# Altium PCB ROBOT1.PcbDoc (part 5 of 7) (continued)
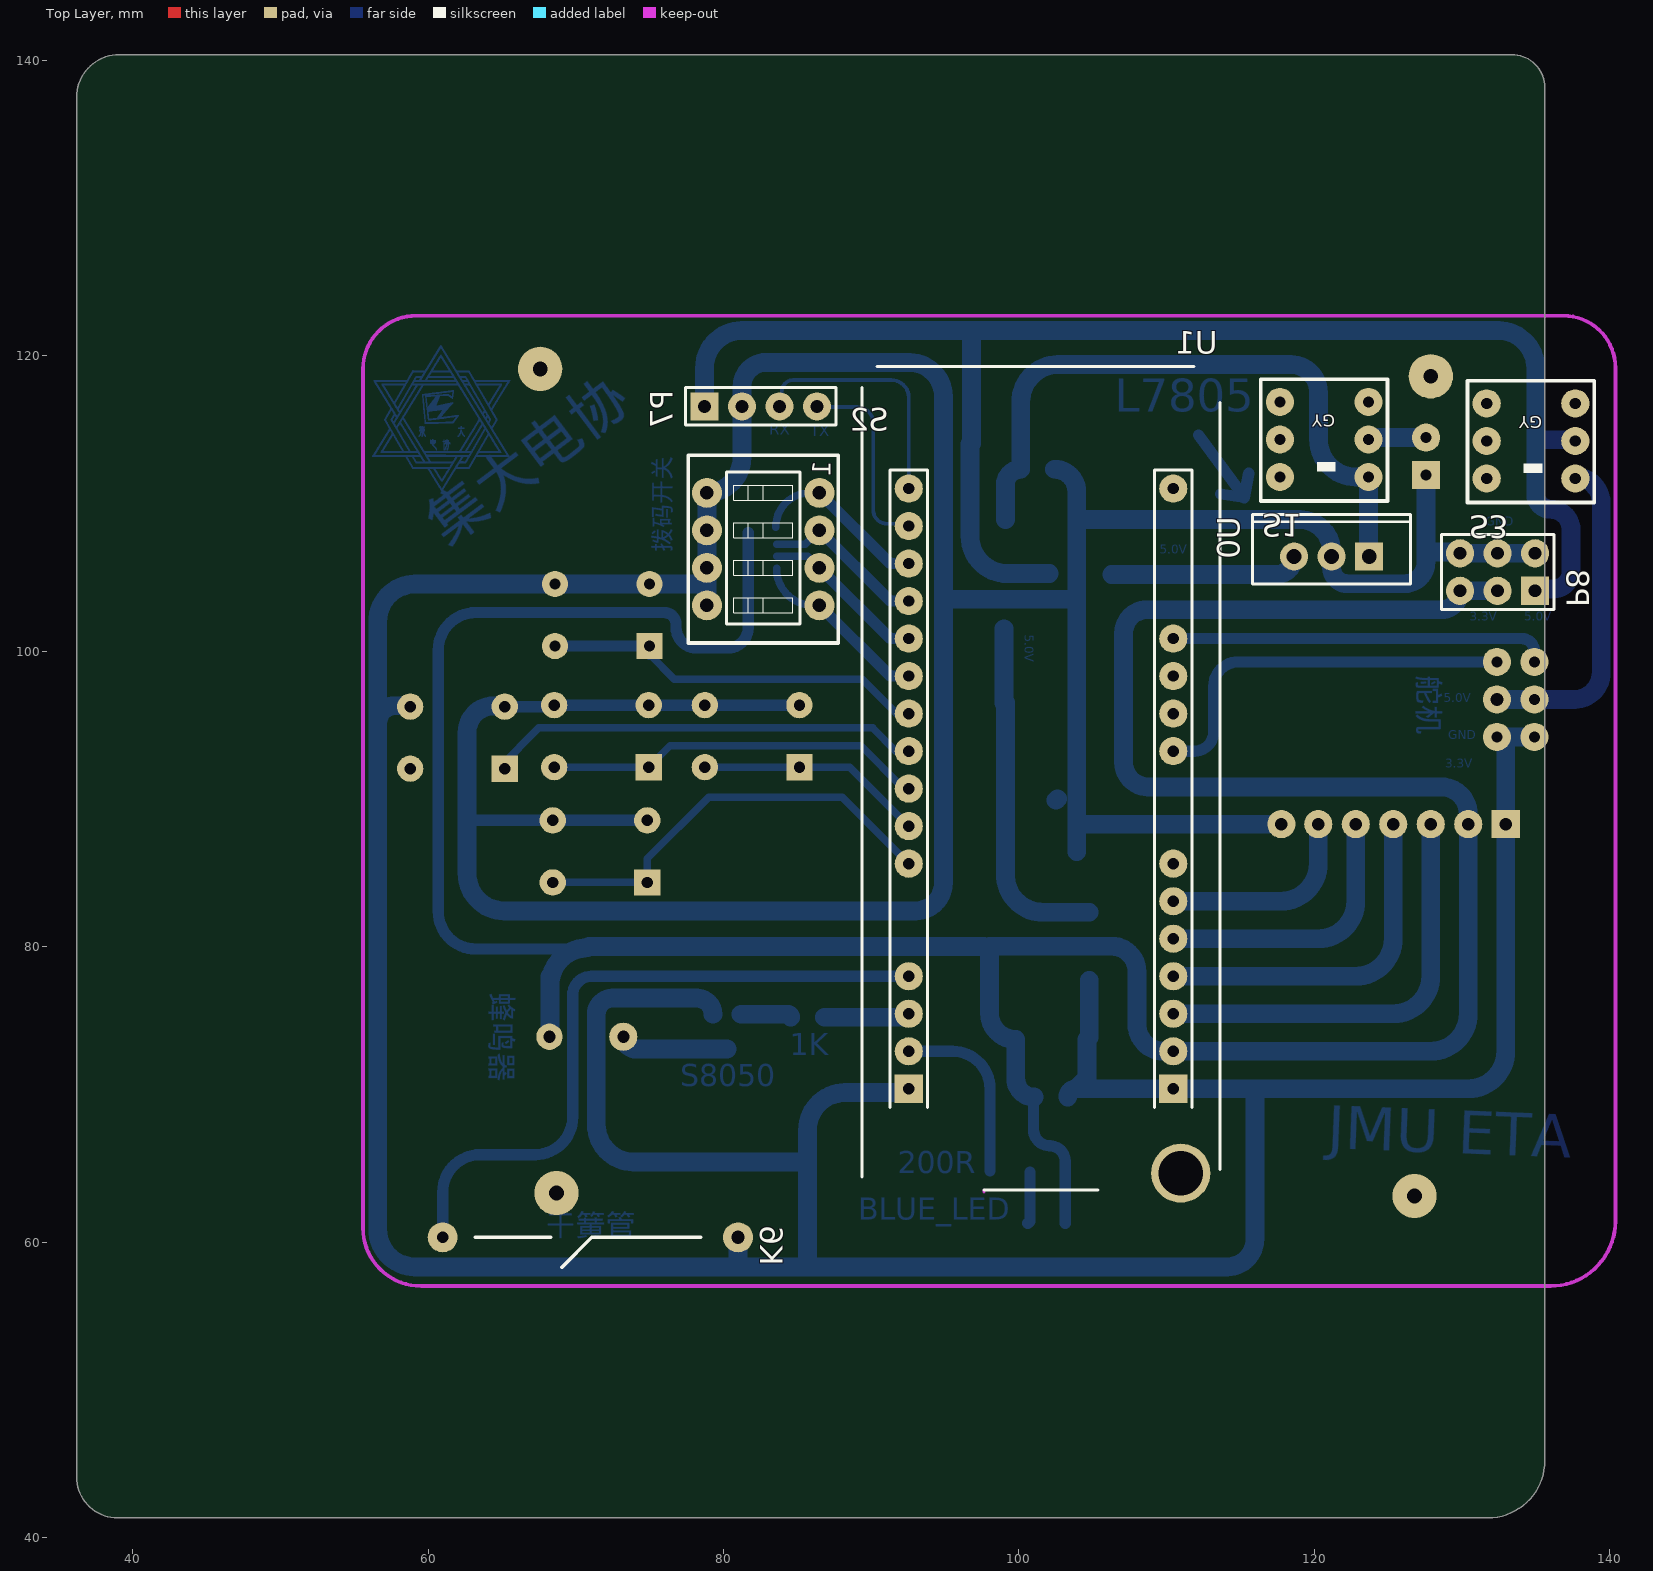
[diagram p0: Top Layer view]
## Nets (pads, with @x,y where several pads share a name; then routed paths per layer and width w, separated by ;. In a path a pad name is that pad's centre, name@x,y a point inside that pad or via, vN(x,y) a via of type N, cw(c..) or ccw(c..) an arc to the next point about the centre after c; other vN are vias at no path point) (continued)
61.824,112.3 ; 61.734,112.929 61.814,112.929 ; 61.734,112.939 61.824,112.939 ; 61.734,115.635 61.814,115.635 ; 61.734,118.529 61.834,118.529 ; 61.734,118.539 61.824,118.539 ; 61.734,119.168 61.824,119.168 ; 61.734,119.178 61.824,119.178 ; 61.744,112.31 61.834,112.31 ; 61.744,112.949 61.834,112.949 ; 61.744,115.645 61.824,115.645 ; 61.744,115.954 62.044,115.954 ; 61.744,118.519 61.834,118.519 ; 61.744,119.158 61.834,119.158 ; 61.754,112.32 61.834,112.32 ; 61.754,112.33 61.844,112.33 ; 61.754,112.959 61.834,112.959 ; 61.754,112.969 61.844,112.969 ; 61.754,115.655 61.834,115.655 ; 61.754,115.665 61.834,115.665 ; 61.754,118.499 61.844,118.499 ; 61.754,118.509 61.844,118.509 ; 61.754,119.138 61.844,119.138 ; 61.754,119.148 61.834,119.148 ; 61.764,112.34 61.844,112.34 ; 61.764,112.35 61.854,112.35 ; 61.764,112.979 61.844,112.979 ; 61.764,115.674 61.844,115.674 ; 61.764,118.489 61.854,118.489 ; 61.764,119.118 61.854,119.118 ; 61.764,119.128 61.854,119.128 ; 61.774,112.36 61.854,112.36 ; 61.774,112.37 61.864,112.37 ; 61.774,112.989 61.854,112.989 ; 61.774,112.999 61.854,112.999 ; 61.774,115.684 61.844,115.684 ; 61.774,118.469 61.864,118.469 ; 61.774,118.479 61.864,118.479 ; 61.774,119.108 61.864,119.108 ; 61.784,112.38 61.874,112.38 ; 61.784,113.009 61.864,113.009 ; 61.784,113.019 61.874,113.019 ; 61.784,115.694 61.854,115.694 ; 61.784,118.28 61.984,118.28 ; 61.784,118.46 61.874,118.46 ; 61.784,119.088 61.874,119.088 ; 61.784,119.098 61.874,119.098 ; 61.794,112.39 62.782,112.39 ; 61.794,112.4 62.792,112.4 ; 61.794,113.029 61.884,113.029 ; 61.794,115.704 61.864,115.704 ; 61.794,115.714 61.874,115.714 ; 61.794,118.44 61.884,118.44 ; 61.794,118.45 61.884,118.45 ; 61.794,119.078 61.884,119.078 ; 61.804,112.41 62.792,112.41 ; 61.804,113.039 61.884,113.039 ; 61.804,113.049 61.894,113.049 ; 61.804,115.724 61.874,115.724 ; 61.804,118.42 61.894,118.42 ; 61.804,118.43 61.884,118.43 ; 61.804,119.058 61.894,119.058 ; 61.804,119.068 61.884,119.068 ; 61.814,112.42 62.802,112.42 ; 61.814,112.43 62.802,112.43 ; 61.814,113.059 61.894,113.059 ; 61.814,115.734 61.884,115.734 ; 61.814,115.964 62.054,115.964 ; 61.814,118.41 61.904,118.41 ; 61.814,119.038 61.904,119.038 ; 61.814,119.048 61.904,119.048 ; 61.824,112.44 62.812,112.44 ; 61.824,112.45 62.682,112.45 ; 61.824,113.069 61.904,113.069 ; 61.824,113.079 61.904,113.079 ; 61.824,115.744 61.894,115.744 ; 61.824,115.754 61.904,115.754 ; 61.824,118.39 61.914,118.39 ; 61.824,118.4 61.914,118.4 ; 61.824,119.029 61.914,119.029 ; 61.834,112.46 61.924,112.46 ; 61.834,113.089 61.914,113.089 ; 61.834,113.099 61.924,113.099 ; 61.834,115.764 61.904,115.764 ; 61.834,118.37 61.934,118.37 ; 61.834,118.38 61.924,118.38 ; 61.834,119.009 61.934,119.009 ; 61.834,119.019 61.924,119.019 ; 61.844,112.47 61.924,112.47 ; 61.844,112.48 61.934,112.48 ; 61.844,113.109 61.924,113.109 ; 61.844,113.119 61.934,113.119 ; 61.844,115.774 61.914,115.774 ; 61.844,115.784 61.924,115.784 ; 61.844,118.989 62.782,118.989 ; 61.844,118.999 62.772,118.999 ; 61.854,112.49 61.944,112.49 ; 61.854,112.5 61.944,112.5 ; 61.854,113.129 61.944,113.129 ; 61.854,115.794 61.924,115.794 ; 61.854,118.979 62.792,118.979 ; 61.864,112.51 61.954,112.51 ; 61.864,113.139 61.944,113.139 ; 61.864,115.804 61.934,115.804 ; 61.864,118.959 62.802,118.959 ; 61.864,118.969 62.802,118.969 ; 61.874,112.52 61.964,112.52 ; 61.874,112.53 61.964,112.53 ; 61.874,113.149 61.954,113.149 ; 61.874,113.159 61.964,113.159 ; 61.874,115.814 61.944,115.814 ; 61.874,115.824 61.954,115.824 ; 61.874,115.974 62.064,115.974 ; 61.874,118.949 62.812,118.949 ; 61.884,112.54 61.974,112.54 ; 61.884,112.55 61.974,112.55 ; 61.884,113.169 61.964,113.169 ; 61.884,113.179 61.964,113.179 ; 61.884,115.834 61.964,115.834 ; 61.884,118.929 61.974,118.929 ; 61.884,118.939 62.812,118.939 ; 61.894,112.56 61.984,112.56 ; 61.894,113.189 61.974,113.189 ; 61.894,113.199 61.984,113.199 ; 61.894,113.209 61.994,113.209 ; 61.894,115.844 61.964,115.844 ; 61.894,118.27 61.994,118.27 ; 61.894,118.909 61.984,118.909 ; 61.894,118.919 61.984,118.919 ; 61.904,112.57 61.994,112.57 ; 61.904,112.58 61.994,112.58 ; 61.904,115.854 61.974,115.854 ; 61.904,115.864 61.984,115.864 ; 61.904,118.26 61.994,118.26 ; 61.904,118.899 61.994,118.899 ; 61.914,112.59 62.004,112.59 ; 61.914,115.874 61.994,115.874 ; 61.914,118.25 62.004,118.25 ; 61.914,118.879 62.004,118.879 ; 61.914,118.889 62.004,118.889 ; 61.924,112.6 62.004,112.6 ; 61.924,112.61 62.014,112.61 ; 61.924,115.884 61.994,115.884 ; 61.924,115.894 62.004,115.894 ; 61.924,118.23 62.014,118.23 ; 61.924,118.24 62.004,118.24 ; 61.924,118.869 62.014,118.869 ; 61.934,112.62 62.024,112.62 ; 61.934,115.904 62.014,115.904 ; 61.934,115.924 62.034,115.924 ; 61.934,118.21 62.024,118.21 ; 61.934,118.22 62.024,118.22 ; 61.934,118.849 62.024,118.849 ; 61.934,118.859 62.024,118.859 ; 61.944,112.63 62.024,112.63 ; 61.944,112.64 62.034,112.64 ; 61.944,115.914 62.024,115.914 ; 61.944,118.2 62.034,118.2 ; 61.944,118.829 62.034,118.829 ; 61.944,118.839 62.024,118.839 ; 61.954,112.65 62.034,112.65 ; 61.954,112.66 62.044,112.66 ; 61.954,118.18 62.044,118.18 ; 61.954,118.19 62.044,118.19 ; 61.954,118.819 62.044,118.819 ; 61.964,112.67 62.054,112.67 ; 61.964,112.68 62.054,112.68 ; 61.964,118.16 62.064,118.16 ; 61.964,118.17 62.054,118.17 ; 61.964,118.789 62.064,118.789 ; 61.964,118.799 62.054,118.799 ; 61.964,118.809 62.044,118.809 ; 61.974,112.69 62.064,112.69 ; 61.974,115.984 62.074,115.984 ; 61.974,118.15 62.064,118.15 ; 61.974,118.779 62.064,118.779 ; 61.984,112.7 62.064,112.7 ; 61.984,112.71 62.074,112.71 ; 61.984,118.12 62.083,118.12 ; 61.984,118.13 62.074,118.13 ; 61.984,118.14 62.074,118.14 ; 61.984,118.769 62.074,118.769 ; 61.994,112.72 62.083,112.72 ; 61.994,118.749 62.083,118.749 ; 61.994,118.759 62.083,118.759 ; 61.994,119.009 62.004,119.009 ; 62.004,112.73 62.083,112.73 ; 62.004,112.74 62.093,112.74 ; 62.004,114.576 62.074,114.576 ; 62.004,114.586 62.083,114.586 ; 62.004,118.729 62.093,118.729 ; 62.004,118.739 62.093,118.739 ; 62.014,112.75 62.103,112.75 ; 62.014,114.556 62.054,114.556 ; 62.014,114.566 62.064,114.566 ; 62.014,118.719 62.103,118.719 ; 62.024,112.76 62.113,112.76 ; 62.024,112.77 62.553,112.77 ; 62.024,114.546 62.034,114.546 ; 62.024,115.994 62.064,115.994 ; 62.024,118.699 62.113,118.699 ; 62.024,118.709 62.113,118.709 ; 62.034,112.78 62.563,112.78 ; 62.034,118.689 62.123,118.689 ; 62.044,112.79 62.573,112.79 ; 62.044,112.8 62.573,112.8 ; 62.044,115.125 62.453,115.125 ; 62.044,118.02 62.143,118.02 ; 62.044,118.669 62.133,118.669 ; 62.044,118.679 62.123,118.679 ; 62.054,112.81 62.583,112.81 ; 62.054,114.596 62.093,114.596 ; 62.054,115.115 62.443,115.115 ; 62.054,115.135 62.453,115.135 ; 62.054,118.649 62.143,118.649 ; 62.054,118.659 62.143,118.659 ; 62.064,112.82 62.593,112.82 ; 62.064,112.83 62.593,112.83 ; 62.064,114.606 62.103,114.606 ; 62.064,118 62.153,118 ; 62.064,118.01 62.143,118.01 ; 62.064,118.629 62.163,118.629 ; 62.064,118.639 62.153,118.639 ; 62.074,112.84 62.593,112.84 ; 62.074,112.85 62.373,112.85 ; 62.074,114.616 62.123,114.616 ; 62.074,114.626 62.123,114.626 ; 62.074,114.636 62.123,114.636 ; 62.074,117.98 62.173,117.98 ; 62.074,117.99 62.163,117.99 ; 62.074,118.619 62.173,118.619 ; 62.083,112.86 62.183,112.86 ; 62.083,112.869 62.173,112.869 ; 62.083,114.646 62.133,114.646 ; 62.083,117.96 62.183,117.96 ; 62.083,117.97 62.173,117.97 ; 62.083,118.589 62.573,118.589 ; 62.083,118.599 62.563,118.599 ; 62.083,118.609 62.563,118.609 ; 62.093,112.879 62.183,112.879 ; 62.093,114.656 62.143,114.656 ; 62.093,117.95 62.183,117.95 ; 62.103,112.889 62.183,112.889 ; 62.103,112.899 62.193,112.899 ; 62.103,113.548 62.213,113.548 ; 62.103,114.666 62.153,114.666 ; 62.103,117.93 62.193,117.93 ; 62.103,117.94 62.193,117.94 ; 62.103,118.569 62.583,118.569 ; 62.103,118.579 62.583,118.579 ; 62.113,112.909 62.203,112.909 ; 62.113,112.919 62.203,112.919 ; 62.113,114.676 62.163,114.676 ; 62.113,114.686 62.163,114.686 ; 62.113,117.92 62.203,117.92 ; 62.113,118.559 62.593,118.559 ; 62.123,112.929 62.213,112.929 ; 62.123,112.939 62.213,112.939 ; 62.123,113.558 62.203,113.558 ; 62.123,113.568 62.213,113.568 ; 62.123,114.696 62.163,114.696 ; 62.123,114.706 62.163,114.706 ; 62.123,114.716 62.173,114.716 ; 62.123,117.901 62.213,117.901 ; 62.123,117.91 62.203,117.91 ; 62.123,118.539 62.213,118.539 ; 62.123,118.549 62.223,118.549 ; 62.133,112.949 62.223,112.949 ; 62.133,113.578 62.223,113.578 ; 62.133,114.726 62.173,114.726 ; 62.133,117.891 62.223,117.891 ; 62.133,118.519 62.223,118.519 ; 62.133,118.529 62.223,118.529 ; 62.143,112.959 62.233,112.959 ; 62.143,112.969 62.233,112.969 ; 62.143,113.588 62.223,113.588 ; 62.143,113.598 62.223,113.598 ; 62.143,114.736 62.183,114.736 ; 62.143,114.746 62.193,114.746 ; 62.143,117.871 62.233,117.871 ; 62.143,117.881 62.233,117.881 ; 62.143,118.499 62.233,118.499 ; 62.143,118.509 62.233,118.509 ; 62.153,112.979 62.243,112.979 ; 62.153,113.608 62.233,113.608 ; 62.153,113.618 62.243,113.618 ; 62.153,114.756 62.193,114.756 ; 62.153,114.766 62.193,114.766 ; 62.153,117.851 62.253,117.851 ; 62.153,117.861 62.243,117.861 ; 62.153,118.489 62.243,118.489 ; 62.163,112.989 62.243,112.989 ; 62.163,112.999 62.253,112.999 ; 62.163,113.628 62.243,113.628 ; 62.163,113.638 62.253,113.638 ; 62.163,114.776 62.203,114.776 ; 62.163,114.786 62.203,114.786 ; 62.163,114.796 62.203,114.796 ; 62.163,114.806 62.213,114.806 ; 62.163,114.816 62.223,114.816 ; 62.163,117.831 62.263,117.831 ; 62.163,117.841 62.253,117.841 ; 62.163,118.469 62.253,118.469 ; 62.163,118.479 62.253,118.479 ; 62.173,113.009 62.263,113.009 ; 62.173,113.648 62.253,113.648 ; 62.173,114.826 62.223,114.826 ; 62.173,117.821 62.263,117.821 ; 62.173,118.46 62.263,118.46 ; 62.183,113.019 62.263,113.019 ; 62.183,113.029 62.273,113.029 ; 62.183,113.658 62.263,113.658 ; 62.183,114.836 62.223,114.836 ; 62.183,114.846 62.223,114.846 ; 62.183,114.856 62.223,114.856 ; 62.183,117.801 62.283,117.801 ; 62.183,117.811 62.273,117.811 ; 62.183,118.44 62.273,118.44 ; 62.183,118.45 62.273,118.45 ; 62.193,113.039 62.283,113.039 ; 62.193,113.049 62.283,113.049 ; 62.193,113.668 62.273,113.668 ; 62.193,113.678 62.273,113.678 ; 62.193,114.866 62.223,114.866 ; 62.193,114.876 62.223,114.876 ; 62.193,114.886 62.233,114.886 ; 62.193,114.896 62.283,114.896 ; 62.193,114.926 62.273,114.926 ; 62.193,114.936 62.273,114.936 ; 62.193,114.946 62.273,114.946 ; 62.193,117.791 62.283,117.791 ; 62.193,118.43 62.283,118.43 ; 62.203,113.059 62.293,113.059 ; 62.203,113.069 62.303,113.069 ; 62.203,113.688 62.283,113.688 ; 62.203,113.698 62.293,113.698 ; 62.203,114.906 62.283,114.906 ; 62.203,114.916 62.273,114.916 ; 62.203,114.956 62.263,114.956 ; 62.203,117.771 62.303,117.771 ; 62.203,117.781 62.293,117.781 ; 62.203,118.41 62.293,118.41 ; 62.203,118.42 62.293,118.42 ; 62.213,113.079 62.303,113.079 ; 62.213,113.708 62.303,113.708 ; 62.213,114.966 62.263,114.966 ; 62.213,114.976 62.263,114.976 ; 62.213,114.986 62.253,114.986 ; 62.213,115.145 62.263,115.145 ; 62.213,117.761 62.303,117.761 ; 62.213,118.39 62.303,118.39 ; 62.213,118.4 62.303,118.4 ; 62.223,113.089 62.313,113.089 ; 62.223,113.718 62.303,113.718 ; 62.223,113.728 62.313,113.728 ; 62.223,114.996 62.253,114.996 ; 62.223,115.006 62.253,115.006 ; 62.223,115.016 62.253,115.016 ; 62.223,115.026 62.253,115.026 ; 62.223,115.036 62.253,115.036 ; 62.223,115.046 62.253,115.046 ; 62.223,115.056 62.253,115.056 ; 62.223,115.066 62.253,115.066 ; 62.223,115.076 62.253,115.076 ; 62.223,115.086 62.253,115.086 ; 62.223,115.096 62.253,115.096 ; 62.223,115.105 62.263,115.105 ; 62.223,115.155 62.263,115.155 ; 62.223,115.165 62.253,115.165 ; 62.223,115.175 62.253,115.175 ; 62.223,115.185 62.253,115.185 ; 62.223,115.195 62.253,115.195 ; 62.223,115.205 62.253,115.205 ; 62.223,115.215 62.253,115.215 ; 62.223,115.225 62.263,115.225 ; 62.223,115.235 62.263,115.235 ; 62.223,117.741 62.313,117.741 ; 62.223,117.751 62.313,117.751 ; 62.223,118.38 62.313,118.38 ; 62.233,113.099 62.313,113.099 ; 62.233,113.109 62.323,113.109 ; 62.233,113.548 62.273,113.548 ; 62.233,113.738 62.313,113.738 ; 62.233,113.748 62.323,113.748 ; 62.233,115.245 62.243,115.245 ; 62.233,117.721 62.323,117.721 ; 62.233,117.731 62.323,117.731 ; 62.233,118.36 62.333,118.36 ; 62.233,118.37 62.323,118.37 ; 62.233,119.009 62.303,119.009 ; 62.243,113.119 62.323,113.119 ; 62.243,113.129 62.333,113.129 ; 62.243,113.758 62.323,113.758 ; 62.243,114.886 62.283,114.886 ; 62.243,117.711 62.333,117.711 ; 62.243,118.34 62.712,118.34 ; 62.243,118.35 62.712,118.35 ; 62.243,118.549 62.593,118.549 ; 62.253,113.139 62.333,113.139 ; 62.253,113.768 62.333,113.768 ; 62.253,114.866 62.293,114.866 ; 62.253,114.876 62.293,114.876 ; 62.253,117.701 62.343,117.701 ; 62.253,118.33 62.722,118.33 ; 62.263,113.149 62.343,113.149 ; 62.263,113.159 62.353,113.159 ; 62.263,113.778 62.343,113.778 ; 62.263,113.788 62.343,113.788 ; 62.263,114.836 62.303,114.836 ; 62.263,114.846 62.303,114.846 ; 62.263,114.856 62.303,114.856 ; 62.263,117.681 62.353,117.681 ; 62.263,117.691 62.343,117.691 ; 62.263,118.31 62.732,118.31 ; 62.263,118.32 62.722,118.32 ; 62.273,113.169 62.363,113.169 ; 62.273,113.179 62.363,113.179 ; 62.273,113.798 62.353,113.798 ; 62.273,113.808 62.353,113.808 ; 62.273,114.816 62.313,114.816 ; 62.273,114.826 62.313,114.826 ; 62.273,117.661 62.363,117.661 ; 62.273,117.671 62.363,117.671 ; 62.273,118.3 62.742,118.3 ; 62.283,113.189 62.373,113.189 ; 62.283,113.199 62.373,113.199 ; 62.283,113.209 62.383,113.209 ; 62.283,113.818 62.363,113.818 ; 62.283,113.828 62.373,113.828 ; 62.283,114.776 62.333,114.776 ; 62.283,114.786 62.333,114.786 ; 62.283,114.796 62.323,114.796 ; 62.283,114.806 62.313,114.806 ; 62.283,117.641 62.383,117.641 ; 62.283,117.651 62.373,117.651 ; 62.283,118.28 62.433,118.28 ; 62.283,118.29 62.742,118.29 ; 62.293,113.838 62.373,113.838 ; 62.293,113.848 62.383,113.848 ; 62.293,114.766 62.343,114.766 ; 62.293,117.631 62.383,117.631 ; 62.293,118.27 62.383,118.27 ; 62.303,113.858 62.393,113.858 ; 62.303,114.736 62.353,114.736 ; 62.303,114.746 62.353,114.746 ; 62.303,114.756 62.343,114.756 ; 62.303,117.611 62.393,117.611 ; 62.303,117.621 62.393,117.621 ; 62.303,118.25 62.393,118.25 ; 62.303,118.26 62.393,118.26 ; 62.313,113.868 62.393,113.868 ; 62.313,113.878 62.403,113.878 ; 62.313,114.726 62.363,114.726 ; 62.313,117.591 62.403,117.591 ; 62.313,117.601 62.403,117.601 ; 62.313,118.23 62.403,118.23 ; 62.313,118.24 62.393,118.24 ; 62.323,113.888 62.403,113.888 ; 62.323,114.706 62.373,114.706 ; 62.323,114.716 62.363,114.716 ; 62.323,115.105 62.393,115.105 ; 62.323,117.581 62.413,117.581 ; 62.323,118.21 62.413,118.21 ; 62.323,118.22 62.413,118.22 ; 62.333,113.898 62.413,113.898 ; 62.333,113.908 62.423,113.908 ; 62.333,114.696 62.383,114.696 ; 62.333,117.561 62.423,117.561 ; 62.333,117.571 62.423,117.571 ; 62.333,118.2 62.423,118.2 ; 62.333,119.009 62.403,119.009 ; 62.343,113.918 62.423,113.918 ; 62.343,113.928 62.433,113.928 ; 62.343,114.676 62.393,114.676 ; 62.343,114.686 62.393,114.686 ; 62.343,117.551 62.433,117.551 ; 62.343,118.18 62.433,118.18 ; 62.343,118.19 62.433,118.19 ; 62.353,113.938 62.433,113.938 ; 62.353,114.666 62.403,114.666 ; 62.353,117.531 62.443,117.531 ; 62.353,117.541 62.443,117.541 ; 62.353,118.17 62.443,118.17 ; 62.363,113.948 62.443,113.948 ; 62.363,113.958 62.453,113.958 ; 62.363,114.656 62.413,114.656 ; 62.363,117.511 62.453,117.511 ; 62.363,117.521 62.453,117.521 ; 62.363,118.15 62.453,118.15 ; 62.363,118.16 62.453,118.16 ; 62.373,113.968 62.453,113.968 ; 62.373,114.646 62.423,114.646 ; 62.373,117.501 62.463,117.501 ; 62.373,118.14 62.463,118.14 ; 62.373,118.36 62.702,118.36 ; 62.383,113.978 62.463,113.978 ; 62.383,113.987 62.463,113.987 ; 62.383,114.626 62.433,114.626 ; 62.383,114.636 62.423,114.636 ; 62.383,117.481 62.473,117.481 ; 62.383,117.491 62.473,117.491 ; 62.383,118.12 62.473,118.12 ; 62.383,118.13 62.463,118.13 ; 62.393,113.997 62.473,113.997 ; 62.393,114.007 62.473,114.007 ; 62.393,114.616 62.433,114.616 ; 62.393,117.461 62.493,117.461 ; 62.393,117.471 62.483,117.471 ; 62.393,118.1 62.593,118.1 ; 62.393,118.11 62.483,118.11 ; 62.403,114.017 62.483,114.017 ; 62.403,114.027 62.493,114.027 ; 62.403,114.606 62.443,114.606 ; 62.403,117.441 62.503,117.441 ; 62.403,117.451 62.493,117.451 ; 62.403,118.09 62.862,118.09 ; 62.413,114.037 62.503,114.037 ; 62.413,117.431 62.503,117.431 ; 62.413,118.07 62.872,118.07 ; 62.413,118.08 62.862,118.08 ; 62.423,114.047 62.503,114.047 ; 62.423,114.596 62.453,114.596 ; 62.423,117.411 62.513,117.411 ; 62.423,117.421 62.513,117.421 ; 62.423,118.06 62.872,118.06 ; 62.433,114.057 62.513,114.057 ; 62.433,114.067 62.513,114.067 ; 62.433,114.586 62.463,114.586 ; 62.433,117.401 62.523,117.401 ; 62.433,118.04 62.882,118.04 ; 62.433,118.05 62.882,118.05 ; 62.443,114.077 62.523,114.077 ; 62.443,114.576 62.473,114.576 ; 62.443,117.381 62.543,117.381 ; 62.443,117.391 62.533,117.391 ; 62.443,118.02 62.543,118.02 ; 62.443,118.03 62.892,118.03 ; 62.453,114.087 62.533,114.087 ; 62.453,114.097 62.533,114.097 ; 62.453,114.566 62.483,114.566 ; 62.453,117.371 62.543,117.371 ; 62.453,118.01 62.543,118.01 ; 62.463,114.107 62.543,114.107 ; 62.463,114.117 62.543,114.117 ; 62.463,114.556 62.493,114.556 ; 62.463,117.351 62.553,117.351 ; 62.463,117.361 62.553,117.361 ; 62.463,117.99 62.553,117.99 ; 62.463,118 62.553,118 ; 62.473,114.127 62.553,114.127 ; 62.473,114.137 62.563,114.137 ; 62.473,114.546 62.493,114.546 ; 62.473,117.332 62.563,117.332 ; 62.473,117.342 62.563,117.342 ; 62.473,117.97 62.563,117.97 ; 62.473,117.98 62.553,117.98 ; 62.483,114.147 62.573,114.147 ; 62.483,117.322 62.573,117.322 ; 62.483,117.96 62.573,117.96 ; 62.483,118.619 62.543,118.619 ; 62.493,113.548 62.603,113.548 ; 62.493,114.157 62.583,114.157 ; 62.493,114.167 62.593,114.167 ; 62.493,117.302 62.583,117.302 ; 62.493,117.312 62.583,117.312 ; 62.493,117.94 62.583,117.94 ; 62.493,117.95 62.583,117.95 ; 62.503,114.177 62.593,114.177 ; 62.503,117.292 62.593,117.292 ; 62.503,117.92 62.593,117.92 ; 62.503,117.93 62.593,117.93 ; 62.513,113.558 62.593,113.558 ; 62.513,113.568 62.593,113.568 ; 62.513,114.187 62.593,114.187 ; 62.513,114.197 62.603,114.197 ; 62.513,117.272 62.603,117.272 ; 62.513,117.282 62.593,117.282 ; 62.513,117.91 62.593,117.91 ; 62.523,112.85 62.603,112.85 ; 62.523,113.578 62.603,113.578 ; 62.523,114.207 62.603,114.207 ; 62.523,114.217 62.613,114.217 ; 62.523,117.262 62.613,117.262 ; 62.523,117.901 62.603,117.901 ; 62.523,118.539 62.593,118.539 ; 62.533,112.86 62.613,112.86 ; 62.533,113.588 62.613,113.588 ; 62.533,113.598 62.613,113.598 ; 62.533,114.227 62.613,114.227 ; 62.533,114.237 62.623,114.237 ; 62.533,117.242 62.623,117.242 ; 62.533,117.252 62.623,117.252 ; 62.533,117.881 62.623,117.881 ; 62.533,117.891 62.613,117.891 ; 62.533,118.519 62.613,118.519 ; 62.533,118.529 62.603,118.529 ; 62.543,112.869 62.613,112.869 ; 62.543,112.879 62.623,112.879 ; 62.543,113.608 62.623,113.608 ; 62.543,113.618 62.633,113.618 ; 62.543,114.247 62.633,114.247 ; 62.543,117.222 62.633,117.222 ; 62.543,117.232 62.633,117.232 ; 62.543,117.861 62.633,117.861 ; 62.543,117.871 62.623,117.871 ; 62.543,118.499 62.623,118.499 ; 62.543,118.509 62.613,118.509 ; 62.553,112.889 62.633,112.889 ; 62.553,112.899 62.633,112.899 ; 62.553,113.628 62.642,113.628 ; 62.553,114.257 62.633,114.257 ; 62.553,114.267 62.642,114.267 ; 62.553,117.202 62.642,117.202 ; 62.553,117.212 62.642,117.212 ; 62.553,117.841 62.642,117.841 ; 62.553,117.851 62.642,117.851 ; 62.553,118.479 62.633,118.479 ; 62.553,118.489 62.633,118.489 ; 62.553,119.009 62.583,119.009 ; 62.563,112.909 62.642,112.909 ; 62.563,112.919 62.652,112.919 ; 62.563,113.638 62.642,113.638 ; 62.563,114.277 62.642,114.277 ; 62.563,117.192 62.652,117.192 ; 62.563,117.831 62.652,117.831 ; 62.563,118.469 62.642,118.469 ; 62.573,112.929 62.652,112.929 ; 62.573,112.939 62.652,112.939 ; 62.573,113.648 62.652,113.648 ; 62.573,113.658 62.652,113.658 ; 62.573,114.287 62.652,114.287 ; 62.573,114.297 62.662,114.297 ; 62.573,117.172 62.662,117.172 ; 62.573,117.182 62.662,117.182 ; 62.573,117.811 62.662,117.811 ; 62.573,117.821 62.652,117.821 ; 62.573,118.45 62.652,118.45 ; 62.573,118.46 62.652,118.46 ; 62.583,112.949 62.662,112.949 ; 62.583,112.959 62.672,112.959 ; 62.583,113.668 62.662,113.668 ; 62.583,113.678 62.662,113.678 ; 62.583,114.307 62.662,114.307 ; 62.583,114.317 62.672,114.317 ; 62.583,117.152 62.672,117.152 ; 62.583,117.162 62.672,117.162 ; 62.583,117.801 62.672,117.801 ; 62.583,118.43 62.662,118.43 ; 62.583,118.44 62.652,118.44 ; 62.593,112.969 62.672,112.969 ; 62.593,113.688 62.672,113.688 ; 62.593,113.698 62.682,113.698 ; 62.593,114.327 62.672,114.327 ; 62.593,114.337 62.682,114.337 ; 62.593,117.132 62.692,117.132 ; 62.593,117.142 62.682,117.142 ; 62.593,117.781 62.682,117.781 ; 62.593,117.791 62.672,117.791 ; 62.593,118.41 62.672,118.41 ; 62.593,118.42 62.672,118.42 ; 62.603,112.979 62.682,112.979 ; 62.603,113.708 62.692,113.708 ; 62.603,114.347 62.692,114.347 ; 62.603,117.122 62.702,117.122 ; 62.603,117.761 62.692,117.761 ; 62.603,117.771 62.692,117.771 ; 62.603,118.4 62.682,118.4 ; 62.613,112.989 62.682,112.989 ; 62.613,112.999 62.692,112.999 ; 62.613,113.548 62.702,113.548 ; 62.613,113.718 62.692,113.718 ; 62.613,113.728 62.702,113.728 ; 62.613,114.357 62.702,114.357 ; 62.613,114.367 62.702,114.367 ; 62.613,117.112 62.702,117.112 ; 62.613,117.751 62.702,117.751 ; 62.613,118.37 62.702,118.37 ; 62.613,118.38 62.692,118.38 ; 62.613,118.39 62.692,118.39 ; 62.623,113.009 62.692,113.009 ; 62.623,113.019 62.702,113.019 ; 62.623,113.738 62.702,113.738 ; 62.623,114.377 62.712,114.377 ; 62.623,117.092 62.712,117.092 ; 62.623,117.102 62.712,117.102 ; 62.623,117.731 62.712,117.731 ; 62.623,117.741 62.702,117.741 ; 62.633,113.029 62.712,113.029 ; 62.633,113.039 62.712,113.039 ; 62.633,113.748 62.712,113.748 ; 62.633,113.758 62.722,113.758 ; 62.633,114.387 62.712,114.387 ; 62.633,114.397 62.722,114.397 ; 62.633,117.082 62.722,117.082 ; 62.633,117.711 62.722,117.711 ; 62.633,117.721 62.712,117.721 ; 62.633,118.1 62.722,118.1 ; 62.642,113.049 62.722,113.049 ; 62.642,113.768 62.722,113.768 ; 62.642,114.407 62.732,114.407 ; 62.642,117.062 62.732,117.062 ; 62.642,117.072 62.732,117.072 ; 62.642,117.701 62.732,117.701 ; 62.652,113.059 62.722,113.059 ; 62.652,113.069 62.732,113.069 ; 62.652,113.778 62.732,113.778 ; 62.652,113.788 62.732,113.788 ; 62.652,114.417 62.732,114.417 ; 62.652,117.042 62.742,117.042 ; 62.652,117.052 62.742,117.052 ; 62.652,117.681 62.742,117.681 ; 62.652,117.691 62.732,117.691 ; 62.662,113.079 62.732,113.079 ; 62.662,113.089 62.742,113.089 ; 62.662,113.798 62.742,113.798 ; 62.662,113.808 62.752,113.808 ; 62.662,114.427 62.742,114.427 ; 62.662,114.437 62.752,114.437 ; 62.662,117.032 62.752,117.032 ; 62.662,117.661 62.752,117.661 ; 62.662,117.671 62.752,117.671 ; 62.662,118.28 62.752,118.28 ; 62.672,113.099 62.752,113.099 ; 62.672,113.109 62.752,113.109 ; 62.672,113.818 62.752,113.818 ; 62.672,113.828 62.762,113.828 ; 62.672,114.447 62.752,114.447 ; 62.672,114.457 62.762,114.457 ; 62.672,117.012 62.762,117.012 ; 62.672,117.022 62.752,117.022 ; 62.672,117.641 62.772,117.641 ; 62.672,117.651 62.762,117.651 ; 62.672,118.27 62.752,118.27 ; 62.682,113.119 62.762,113.119 ; 62.682,113.838 62.772,113.838 ; 62.682,114.467 62.762,114.467 ; 62.682,116.992 62.782,116.992 ; 62.682,117.002 62.772,117.002 ; 62.682,117.631 62.772,117.631 ; 62.682,118.26 62.762,118.26 ; 62.692,113.129 62.772,113.129 ; 62.692,113.139 62.772,113.139 ; 62.692,113.848 62.772,113.848 ; 62.692,113.858 62.772,113.858 ; 62.692,114.477 62.772,114.477 ; 62.692,114.487 62.772,114.487 ; 62.692,116.982 62.782,116.982 ; 62.692,117.621 62.782,117.621 ; 62.692,118.24 62.772,118.24 ; 62.692,118.25 62.762,118.25 ; 62.692,119.009 62.742,119.009 ; 62.702,113.149 62.782,113.149 ; 62.702,113.159 62.782,113.159 ; 62.702,113.868 62.782,113.868 ; 62.702,113.878 62.792,113.878 ; 62.702,114.497 62.782,114.497 ; 62.702,114.507 62.792,114.507 ; 62.702,116.972 62.792,116.972 ; 62.702,117.601 62.792,117.601 ; 62.702,117.611 62.792,117.611 ; 62.702,118.23 62.772,118.23 ; 62.712,113.169 62.792,113.169 ; 62.712,113.179 62.792,113.179 ; 62.712,113.888 62.792,113.888 ; 62.712,114.517 62.792,114.517 ; 62.712,114.527 62.802,114.527 ; 62.712,116.952 62.802,116.952 ; 62.712,116.962 62.792,116.962 ; 62.712,117.581 62.802,117.581 ; 62.712,117.591 62.792,117.591 ; 62.712,118.21 62.792,118.21 ; 62.712,118.22 62.782,118.22 ; 62.722,112.45 62.812,112.45 ; 62.722,113.189 62.792,113.189 ; 62.722,113.199 62.802,113.199 ; 62.722,113.209 62.812,113.209 ; 62.722,113.898 62.802,113.898 ; 62.722,113.908 62.812,113.908 ; 62.722,114.537 62.802,114.537 ; 62.722,116.932 62.812,116.932 ; 62.722,116.942 62.812,116.942 ; 62.722,117.571 62.812,117.571 ; 62.722,118.19 62.802,118.19 ; 62.722,118.2 62.792,118.2 ; 62.732,113.918 62.812,113.918 ; 62.732,114.546 62.812,114.546 ; 62.732,116.912 62.822,116.912 ; 62.732,116.922 62.822,116.922 ; 62.732,117.551 62.822,117.551 ; 62.732,117.561 62.812,117.561 ; 62.732,118.18 62.812,118.18 ; 62.742,112.46 62.822,112.46 ; 62.742,112.47 62.822,112.47 ; 62.742,113.928 62.822,113.928 ; 62.742,113.938 62.832,113.938 ; 62.742,114.556 62.822,114.556 ; 62.742,114.566 62.822,114.566 ; 62.742,116.902 62.832,116.902 ; 62.742,117.541 62.832,117.541 ; 62.742,118.16 62.822,118.16 ; 62.742,118.17 62.812,118.17 ; 62.742,118.929 62.822,118.929 ; 62.752,112.48 62.832,112.48 ; 62.752,113.948 62.832,113.948 ; 62.752,113.958 62.842,113.958 ; 62.752,114.576 62.832,114.576 ; 62.752,114.586 62.842,114.586 ; 62.752,116.882 62.842,116.882 ; 62.752,116.892 62.832,116.892 ; 62.752,117.521 62.842,117.521 ; 62.752,117.531 62.832,117.531 ; 62.752,118.13 62.842,118.13 ; 62.752,118.14 62.832,118.14 ; 62.752,118.15 62.822,118.15 ; 62.752,118.909 62.832,118.909 ; 62.752,118.919 62.832,118.919 ; 62.762,112.49 62.842,112.49 ; 62.762,113.968 62.852,113.968 ; 62.762,114.596 62.852,114.596 ; 62.762,116.872 62.852,116.872 ; 62.762,117.501 62.852,117.501 ; 62.762,117.511 62.852,117.511 ; 62.762,118.1 62.852,118.1 ; 62.762,118.11 62.852,118.11 ; 62.762,118.12 62.842,118.12 ; 62.762,118.899 62.842,118.899 ; 62.772,112.5 62.842,112.5 ; 62.772,112.51 62.852,112.51 ; 62.772,113.978 62.852,113.978 ; 62.772,113.987 62.862,113.987 ; 62.772,114.606 62.852,114.606 ; 62.772,114.616 62.862,114.616 ; 62.772,116.852 62.862,116.852 ; 62.772,116.862 62.852,116.862 ; 62.772,117.491 62.862,117.491 ; 62.772,118.879 62.852,118.879 ; 62.772,118.889 62.842,118.889 ; 62.782,112.52 62.852,112.52 ; 62.782,112.53 62.862,112.53 ; 62.782,113.299 62.862,113.299 ; 62.782,113.997 62.862,113.997 ; 62.782,114.626 62.862,114.626 ; 62.782,114.636 62.862,114.636 ; 62.782,116.832 62.872,116.832 ; 62.782,116.842 62.872,116.842 ; 62.782,117.471 62.872,117.471 ; 62.782,117.481 62.862,117.481 ; 62.782,118.869 62.852,118.869 ; 62.792,112.54 62.872,112.54 ; 62.792,112.55 62.872,112.55 ; 62.792,113.309 62.872,113.309 ; 62.792,113.319 62.872,113.319 ; 62.792,114.007 62.872,114.007 ; 62.792,114.017 62.872,114.017 ; 62.792,114.646 62.872,114.646 ; 62.792,114.656 62.882,114.656 ; 62.792,116.812 62.882,116.812 ; 62.792,116.822 62.882,116.822 ; 62.792,117.451 62.882,117.451 ; 62.792,117.461 62.882,117.461 ; 62.792,118.839 62.872,118.839 ; 62.792,118.849 62.862,118.849 ; 62.792,118.859 62.862,118.859 ; 62.802,112.56 62.882,112.56 ; 62.802,113.329 62.882,113.329 ; 62.802,114.027 62.882,114.027 ; 62.802,114.037 62.892,114.037 ; 62.802,114.666 62.892,114.666 ; 62.802,116.802 62.892,116.802 ; 62.802,117.441 62.892,117.441 ; 62.802,118.02 62.902,118.02 ; 62.802,118.829 62.882,118.829 ; 62.812,112.57 62.892,112.57 ; 62.812,112.58 62.892,112.58 ; 62.812,113.339 62.882,113.339 ; 62.812,113.349 62.892,113.349 ; 62.812,114.047 62.892,114.047 ; 62.812,114.676 62.892,114.676 ; 62.812,114.686 62.902,114.686 ; 62.812,116.783 62.902,116.783 ; 62.812,116.792 62.902,116.792 ; 62.812,117.421 62.902,117.421 ; 62.812,117.431 62.892,117.431 ; 62.812,118.809 62.892,118.809 ; 62.812,118.819 62.882,118.819 ; 62.822,112.59 62.902,112.59 ; 62.822,112.6 62.902,112.6 ; 62.822,113.359 62.892,113.359 ; 62.822,113.369 62.902,113.369